# Allegro board board_orcad.brd (continued)
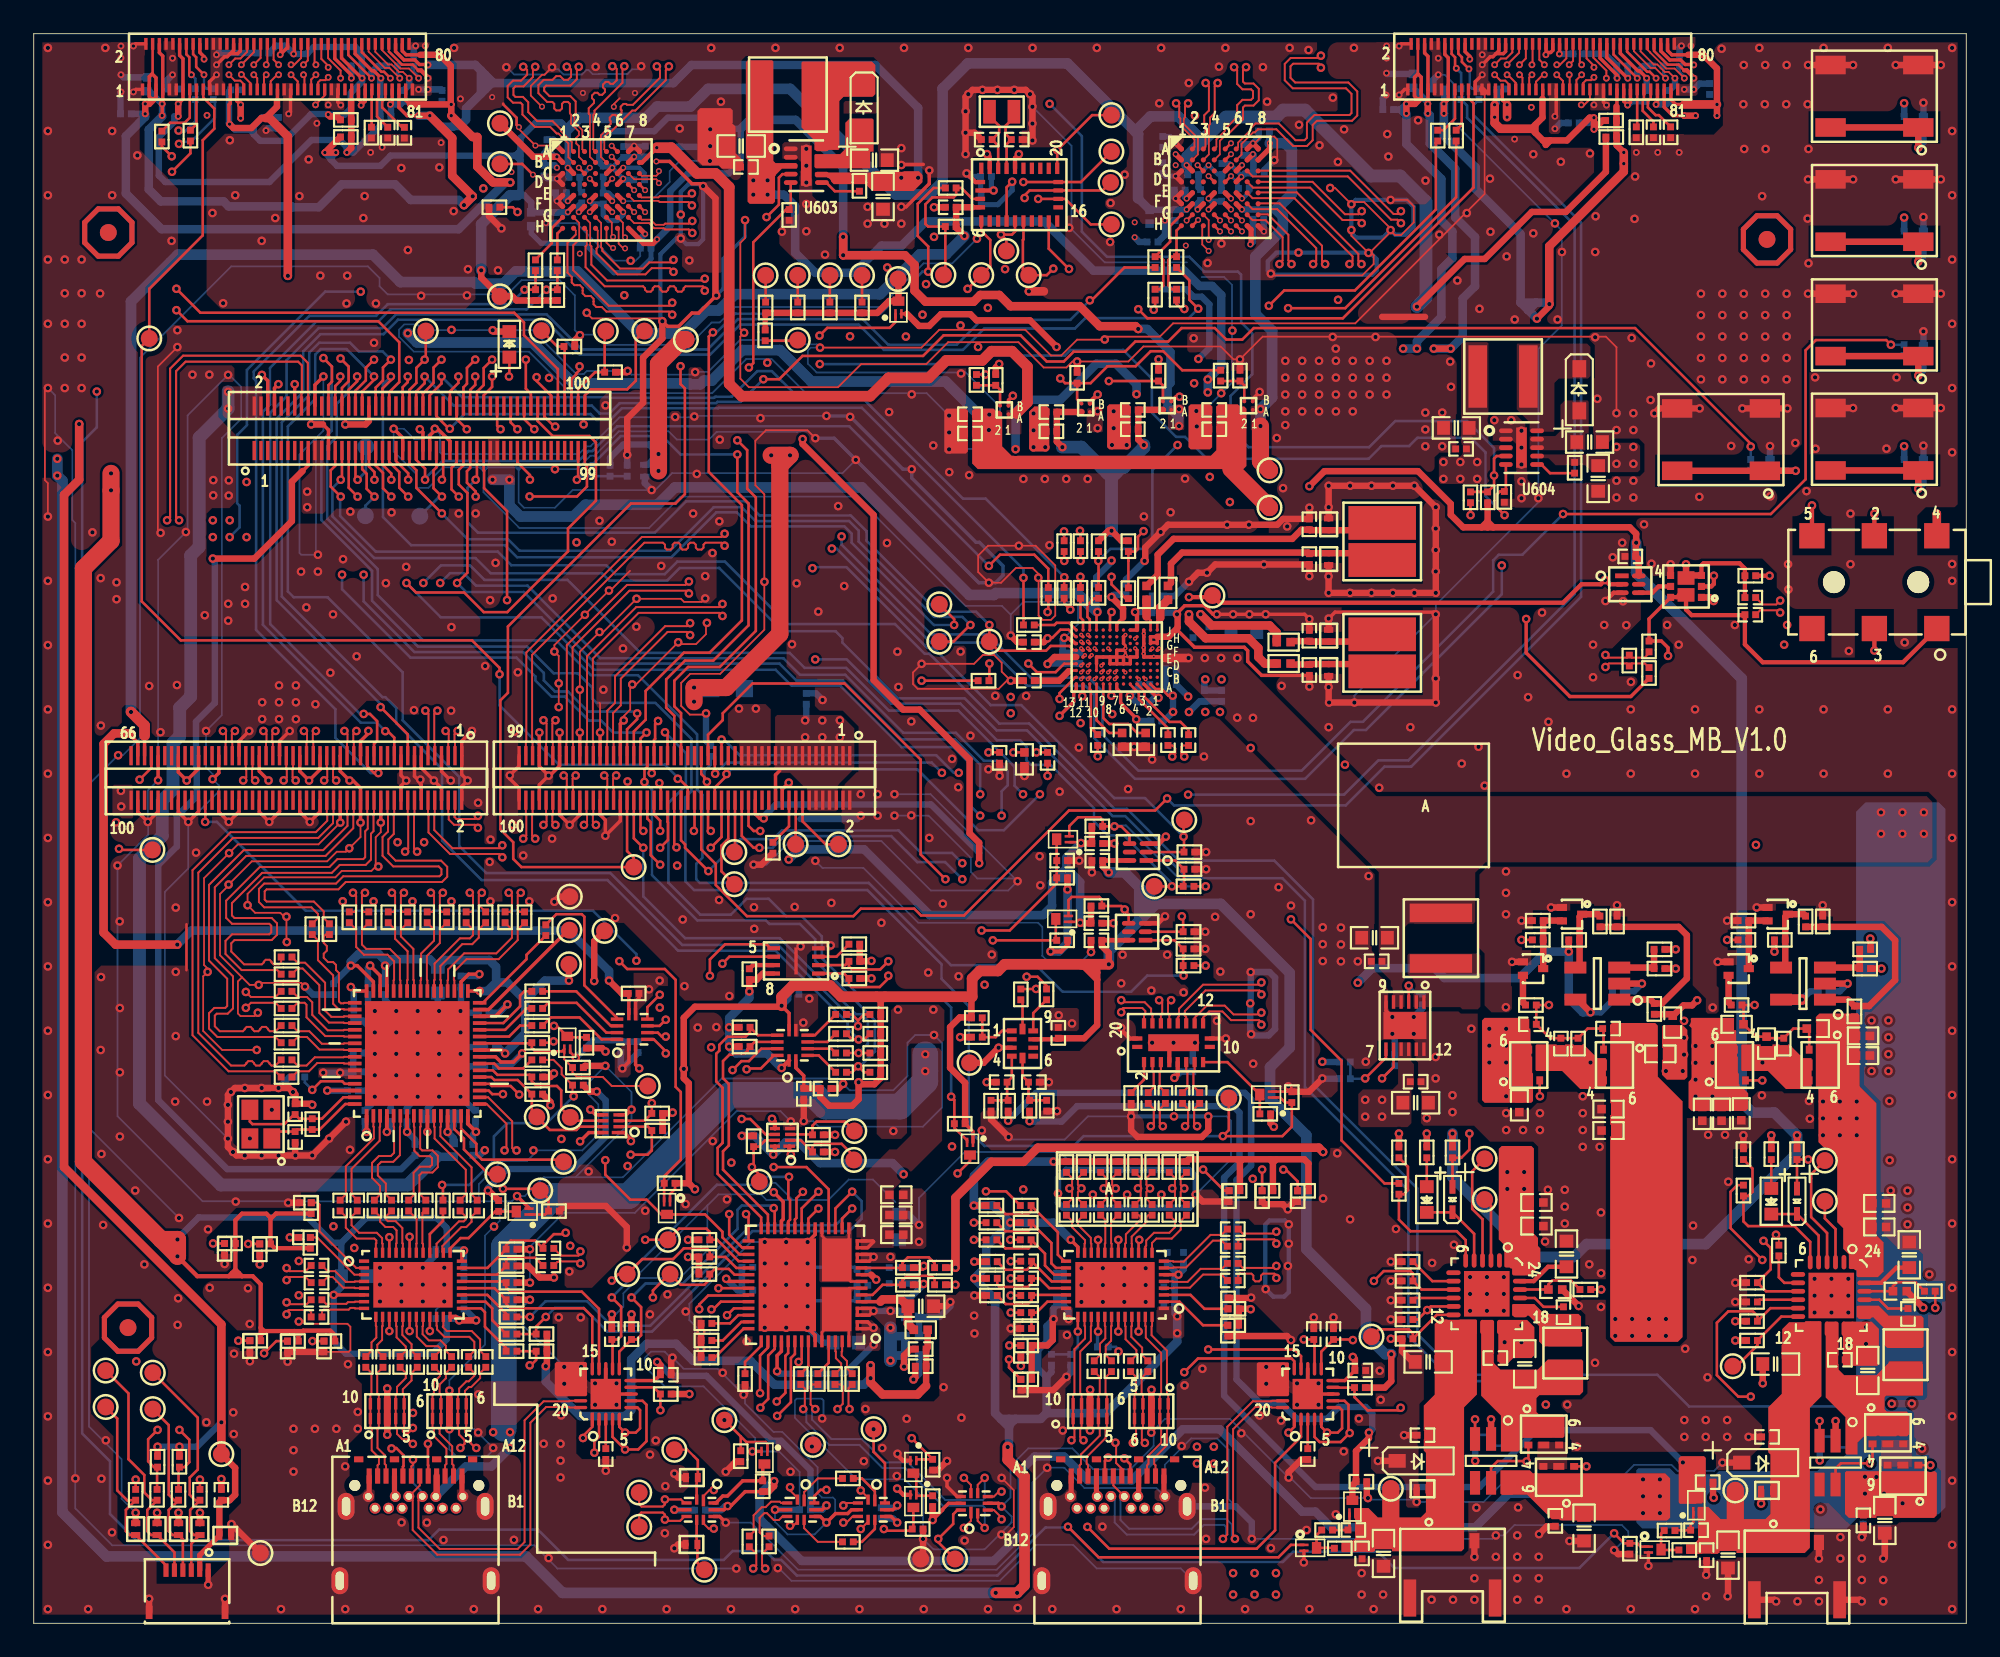
[diagram p0: board, top side]
## Routing (per net, layer and track width the routed paths; a pad name or vN(x,y) marks a point on that pad's centre or on a via; arc(x,y) is an arc through that point) (continued)
I2C1_SDA: length 16.5
  TOP w0.152: U801.28 43.12,24.06 40.54,26.64 40.54,28.18 40.83,28.48 40.83,31.74 40.46,32.12 40.46,33.76 40.64,33.95 40.64,34.29 41.12,34.77 42.19,34.77 42.46,35.04 R831.1 42.93,34.86 U805.9
I2C2_IRQZ: length 23.7
  TOP w0.152: v1(41.96,29.9) 42.47,29.9 43.38,28.98 U804.6 ; U801.34 41.54,20.67 41.2,21.01 40.38,21.01 R835.1 40.07,20.39 39.75,20.07 38.35,20.07 TP808.1 37.67,20.7 36.7,19.73 v1(36.7,19.31)
  ART06 w0.122: v1(41.96,29.9) 41.91,29.84 40.06,29.84 37.95,27.74 37.95,23.06 36.7,21.81 v1(36.7,19.31)
I2C2_SCL: length 23.4
  TOP w0.152: v1(42.26,32.84) 42.27,32.83 42.29,32.83 42.34,32.89 43.1,32.89 43.87,33.66 U805.12 ; U801.32 41.78,21.47 40.51,22.73 R838.1 40.07,23.2 39.88,23.39 38.25,23.39 TP805.1 v1(36.25,22.73)
  ART06 w0.122: v1(42.26,32.84) 41.83,33.26 41.23,33.26 40.95,32.99 40.95,31.78 37.04,27.86 37.04,23.53 v1(36.25,22.73)
I2C2_SDA: length 28.4
  TOP w0.152: U805.11 43.13,34.06 42.39,33.32 41.95,33.32 v1(41.42,32.8) ; v1(34.26,20.31) 34.65,20.7 TP806.1 36.07,21.59 37.9,21.59 38.53,22.23 39.9,22.23 40.07,22.06 R837.1 41,21.72 41.65,21.07 U801.33
  ART06 w0.122: v1(34.26,20.31) 34.63,20.31 37.44,23.12 37.44,27.77 41.42,31.74 v1(41.42,32.8)
I2C_EN: length 12.5
  TOP w0.152: v1(69.32,26.9) 70.57,25.64 R540.1 ; v1(63.09,22.73) U501.17
  ART03 w0.122: v1(69.32,26.9) 69.57,26.64 69.57,24.51 68.76,23.7 64.06,23.7 v1(63.09,22.73)
I2C_L_SCL: length 48.4
  TOP w0.152: v1(20.43,50.4) 20.18,50.4 19.77,50.81 J501.29 ; v1(29.09,79.06) R624.1 29.74,80.19 R631.2
  BOTTOM w0.152: v1(20.43,50.4) 19.97,50.4 17.88,52.49 17.88,54.19 13.18,58.89 13.18,73.67 13.04,73.8 13.04,74.21 16.34,77.51 20.29,77.51 20.99,78.2 28.24,78.2 v1(29.09,79.06)
I2C_L_SDA: length 47.1
  TOP w0.152: J501.21 21.37,52.5 20.98,52.89 v1(20.84,52.89) ; R632.2 R625.1 v1(30.39,79.06)
  BOTTOM w0.152: v1(30.39,79.06) 29.23,77.9 21.15,77.9 20.43,77.18 16.77,77.18 14,74.42 14,72.25 13.58,71.83 13.58,59.19 19.39,53.39 20.34,53.39 v1(20.84,52.89)
I2C_LEVEL_SCL1: length 1.9
  TOP w0.152: R825.2 47.05,34.46 U805.5
I2C_LEVEL_SCL2: length 2.1
  TOP w0.152: R823.2 46.53,33.66 U805.3
I2C_LEVEL_SDA1: length 2.2
  TOP w0.152: U805.6 46.3,34.86 R826.2
I2C_LEVEL_SDA2: length 1.8
  TOP w0.152: R824.2 47.28,34.06 U805.4
I2C_R_SCL: length 55.8
  TOP w0.152: R629.2 66.47,77.95 v1(66.39,77.87) ; v1(37.13,45.97) 37.59,46.43 37.59,47.5 37.57,47.52 J301.56
  ART03 w0.122: v1(66.39,77.87) 67.18,77.08 67.18,73.43 66.88,73.13 66.88,69.65 64.57,67.34 55.81,67.34 43.36,54.88 43.36,51.87 40.79,49.3 38.61,49.3 36.65,47.35 36.65,46.38 37.06,45.97 v1(37.13,45.97)
  BOTTOM w0.152: R629.2 66.47,77.95 v1(66.39,77.87)
I2C_R_SDA: length 57.2
  TOP w0.152: R630.2 67.74,78.21 68.03,77.92 v1(68.2,77.92) ; v1(38.1,46) 37.97,46.13 J301.54
  ART03 w0.122: v1(38.1,46) 38.1,46.94 39.6,48.44 40.92,48.44 44.01,51.53 44.01,54.54 45.53,56.05 46.81,56.05 48.34,57.58 48.34,58.73 56.32,66.72 65.45,66.72 69.52,70.78 69.52,71.97 67.74,73.75 67.74,77.45 v1(68.2,77.92)
  BOTTOM w0.152: v1(68.2,77.92) 68.03,77.92 67.74,78.21 R630.2
I2C_SCL: length 86.4
  TOP w0.152: J302.38 20.27,73.25 20.7,73.69 20.7,74.44 v1(21.17,74.91) ; R907.2 59.41,37.6 v1(59.42,37.61) ; R834.1 49.23,34.61 v1(48.9,34.61) 48.51,34.61 R825.1
  ART03 w0.122: v1(59.42,37.61) 58.01,37.61 55.76,35.35 52.8,35.35 52.06,34.61 v1(48.9,34.61)
  BOTTOM w0.152: v1(21.17,74.91) 20.69,75.4 19.27,75.4 18.76,75.92 16.92,75.92 16.33,75.33 16.33,72.82 14.7,71.19 14.7,60.87 20.67,54.9 20.84,54.9 21.49,54.26 21.49,53.36 24.21,50.64 24.21,46.41 26.55,44.06 34.01,44.06 38.2,39.87 43.97,39.87 48.24,35.6 48.24,35.27 v1(48.9,34.61)
I2C_SDA: length 84.8
  TOP w0.152: J302.34 19.47,73.01 20.17,73.71 v1(20.17,73.91) ; v1(48.86,35.4) 48.86,35.74 ; 48.86,35.74 49.22,36.09 R833.1 ; 48.86,35.74 48.5,36.09 R826.1 ; v1(58.86,38.33) 59.5,38.33 60.04,37.8 R917.2
  ART03 w0.122: v1(48.86,35.4) 49.2,35.05 51.88,35.05 52.61,35.78 55.39,35.78 57.72,38.11 58.64,38.11 v1(58.86,38.33)
  BOTTOM w0.152: v1(48.86,35.4) 48.86,35.47 44.12,40.21 38.44,40.21 34.18,44.48 26.82,44.48 25.22,46.08 25.22,50.17 21.87,53.53 21.87,56.38 17.42,60.83 15.41,60.83 15.06,61.17 15.06,70.95 16.69,72.58 16.69,75.21 17.01,75.54 18.54,75.54 v1(20.17,73.91)
IIS_DATA: length 9.5
  TOP w0.152: U701.9 34.58,35.88 32.64,37.82 32.64,41.88 32.49,42.04 30.98,42.04 R753.1
IIS_MCLK: length 5.3
  TOP w0.152: U701.10 34.21,35.42 32.16,37.47 R752.1
IIS_SCLK: length 5.3
  TOP w0.152: U701.11 33.95,35.02 32.18,36.78 30.5,36.78 R751.1
IIS_WS: length 5.1
  TOP w0.152: R750.1 30.65,35.92 32.36,35.92 33.66,34.62 U701.12
IN4N: length 46.1
  TOP w0.114: C1026.1 102.49,60.39 103.29,60.39 v1(103.52,60.63)
  TOP w0.152: U1001.B3 65.8,56.08 v3(65.91,55.97)
  GND02 w0.114: v1(69.44,54.03) 69.68,53.78 69.68,53.53 69.44,53.29 67.11,53.29 65.88,54.52 65.88,55.69 65.91,55.72 v3(65.91,55.97)
  ART03 w0.114: v1(69.44,54.03) 69.71,54.29 69.71,54.6 70.02,54.91 73.03,54.91 73.9,54.04 84.41,54.04 90.46,60.08 100.09,60.08 100.45,60.45 103.34,60.45 v1(103.52,60.63)
IN4P: length 46.5
  TOP w0.114: v1(103.52,59.92) 103.39,60.05 102.33,60.05 C1025.1
  TOP w0.152: U1001.B4 65.4,56.08 v3(65.51,55.97)
  GND02 w0.114: v3(65.51,55.97) 65.51,55.72 65.54,55.69 65.54,54.37 66.96,52.95 69.58,52.95 70.03,53.39 70.03,53.74 v1(70.32,54.03)
  ART03 w0.114: v1(70.32,54.03) 70.05,54.29 70.05,54.45 70.17,54.57 72.89,54.57 73.76,53.7 84.56,53.7 90.6,59.74 100.23,59.74 100.59,60.1 103.34,60.1 v1(103.52,59.92)
JACKDET: length 48.4
  TOP w0.152: U1001.C8 63.8,56.48 v3(63.69,56.37)
  TOP w0.254: J1003.5 v1(105.41,66.27)
  GND02 w0.152: v4(64.08,56.84) 63.69,56.44 v3(63.69,56.37)
  ART03 w0.254: v1(105.41,66.27) 105.28,66.14 92.64,66.14 85.08,58.58 73.47,58.58 72.79,59.26 67.97,59.26 65.55,56.84 v4(64.08,56.84)
L_775_EN: length 50.9
  TOP w0.152: U708.B2 66.93,73.39 R722.2 v1(63.73,73.64) ; v1(36.13,46.97) 35.97,47.14 J301.64 ; R725.2 v1(56.41,74.03)
  ART03 w0.122: v1(56.41,74.03) 54.74,72.36 54.74,66.66 44.65,56.57 43.11,56.57 40.87,54.33 40.87,53.55 37.59,50.27 37.59,48.74 36.13,47.28 v1(36.13,46.97)
  ART06 w0.122: v1(63.73,73.64) 62.85,73.64 62.33,73.13 58.88,73.13 57.96,74.04 56.42,74.04 v1(56.41,74.03)
L_AUXN: length 18.3
  TOP w0.114: v1(32.4,22.05) 32.4,21.91 32.29,21.79 31.26,21.79 C425.2 ; U705.18 26.94,31.18 28.36,29.76 28.36,28.17 28.5,28.03 v1(28.62,28.03)
  ART06 w0.114: v1(28.62,28.03) 28.5,28.03 28.39,28.15 28.39,28.7 28.55,28.86 29.5,28.86 30.31,28.05 30.31,27.89 30.29,27.88 30.29,27.71 30.46,27.55 30.62,27.55 30.63,27.57 30.8,27.57 30.96,27.41 30.96,27.25 30.94,27.23 30.94,27.07 31.1,26.91 31.26,26.91 31.28,26.92 31.44,26.92 32.45,25.92 32.45,23.18 33.23,22.4 33.23,22.07 32.97,21.82 32.52,21.82 32.4,21.93 v1(32.4,22.05)
L_AUXP: length 18.3
  TOP w0.114: C424.2 31.03,21.41 31.08,21.41 31.11,21.45 32.29,21.45 v1(32.4,21.34) ; v1(27.91,28.03) 28.02,28.14 28.02,29.61 26.85,30.78 U705.17
  ART06 w0.114: v1(32.4,21.34) 32.54,21.47 33.11,21.47 33.57,21.93 33.57,22.54 32.79,23.32 32.79,26.06 29.65,29.2 28.41,29.2 28.04,28.84 28.04,28.17 v1(27.91,28.03)
L_BAT_CTL: length 130.4
  TOP w0.152: v1(18.2,66.79) 17.6,67.39 17.6,68.35 17.87,68.62 J302.25
  BOTTOM w0.152: v1(18.2,66.79) 18.16,66.76 18.16,65.64 20.27,63.53 27.51,63.53 28.32,62.72 33.94,62.72 34.47,62.19 37.4,62.19 38.15,62.94 40.97,62.94 44.67,59.24 51.05,59.24 52.82,57.48 53.09,57.48 57.23,53.34 59,53.34 64.06,48.29 64.8,48.29 67.87,45.21 73.53,45.21 75.83,42.91 75.83,31.97 82.02,25.78 82.02,17.14 84.43,14.73 96.24,14.73 98.12,12.85 107.04,12.85 107.59,12.29 107.59,10.58 107.44,10.42 R922.1
L_C_CC1: length 26.1
  TOP w0.152: U402.7 36.09,13.19 36.32,12.95 36.32,10.79 35.83,10.3 v1(35.05,10.3) 34.31,11.05 U402.4 ; v1(21.21,10.36) 21.23,10.39 21.49,10.39 21.92,9.96 21.92,9.32 21.88,9.29 J401.A5
  ART06 w0.152: v1(35.05,10.3) 32.12,13.23 27.98,13.23 27.74,12.99 22.21,12.99 21.59,12.37 21.59,10.74 v1(21.21,10.36)
L_C_CC2: length 17.8
  TOP w0.152: U402.5 34.71,11.65 v1(35.05,11.3) 35.69,11.3 35.94,11.56 35.94,12.64 35.79,12.79 U402.6
  ART03 w0.122: J401.B5 24.35,5.9 27.45,5.9 30.69,9.14 31.55,9.14 33.01,10.61 34.36,10.61 v1(35.05,11.3)
L_C_SBU1: length 15.3
  TOP w0.152: J401.A8 23.38,9.36 23.37,9.37 v1(23.37,10.64) ; v1(32.56,10.98) 32.56,11.09 33.11,11.65 U402.1
  ART06 w0.152: v1(23.37,10.64) 23.37,11.46 24.58,12.66 27.85,12.66 28.08,12.9 31.69,12.9 32.56,12.03 v1(32.56,10.98)
L_C_SBU2: length 16.5
  TOP w0.152: U402.2 33.51,11.05 33.23,10.77 v1(33.23,10.11)
  ART03 w0.122: v1(33.23,10.11) 33.23,9.81 28.87,5.45 22.64,5.45 22.43,5.66 22.43,6.23 J401.B8
L_CC1: length 21.8
  TOP w0.152: U402.12 34.31,16.78 C402.1 34.62,16.82 34.82,17.02 34.82,18.76 v1(34.26,19.31) ; U801.24 44.72,23.82 44.83,23.93 44.83,25.1 44.73,25.2 44.73,26.43 v1(44.77,26.47)
  BOTTOM w0.152: v1(34.26,19.31) 35.28,20.33 35.28,20.78 40.5,25.99 43.01,25.99 43.48,26.47 v1(44.77,26.47)
L_CC2: length 17.8
  TOP w0.152: U402.11 34.71,16.1 C401.1 35.75,16.82 36,17.08 36,18.74 v1(35.43,19.31) ; v1(43.87,24.61) 43.92,24.56 U801.26
  BOTTOM w0.152: v1(43.87,24.61) 43.71,24.77 41.97,24.77 41.72,24.51 41.72,23.38 38.48,20.14 36.26,20.14 v1(35.43,19.31)
L_CHG_CE: length 165.7
  TOP w0.152: v1(102.53,22.67) 102.96,22.25 102.96,20.98 R915.2 102.69,19.68 U902.9 ; v1(18.17,73.91) 18.17,73.64 17.87,73.34 J302.26
  ART03 w0.122: v1(58.64,49.15) 59.41,48.38 64.79,48.38 65.44,47.73 68.83,47.73 69.49,47.07 105.02,47.07 111.33,40.75 111.33,30.4 104.93,24 103.56,24 102.53,22.98 v1(102.53,22.67) ; v1(23.1,61.67) 24.19,62.77 26.11,62.77 27.69,64.35 29.83,64.35 33.1,67.61 33.1,75.11 32.79,75.41 28.92,75.41 28.66,75.15 28.66,73.57 28.11,73.03 19.06,73.03 v1(18.17,73.91)
  BOTTOM w0.152: v1(58.64,49.15) 58.14,49.65 58.14,50.77 54.81,54.11 50.69,54.11 48.16,56.64 45.7,56.64 44.81,57.53 35.97,57.53 31.64,61.85 26.72,61.85 25.86,62.71 24.14,62.71 v1(23.1,61.67)
L_CHG_STAT: length 147.4
  TOP w0.152: J302.32 19.07,73.07 19.68,73.69 19.68,74.43 v1(20.17,74.91) ; v1(105.18,27.49) R924.2 D604.1
  ART03 w0.122: v1(20.17,74.91) 20.69,74.4 26.5,74.4 26.64,74.54 26.64,75.39 27.03,75.77 32.91,75.77 33.41,75.28 33.41,67.53 29.94,64.06 27.82,64.06 26.25,62.48 24.91,62.48 v1(24.1,61.67) ; v1(57.37,47.88) 57.52,47.73 64.27,47.73 65.85,46.15 68.63,46.15 68.95,46.47 100.06,46.47 105.74,40.79 105.74,33.17 103.98,31.41 103.98,28.69 v1(105.18,27.49)
  BOTTOM w0.152: v1(57.37,47.88) 57.37,49.32 57.73,49.68 57.73,50.5 57.1,51.13 56.32,51.13 54.66,52.79 51.54,52.79 48.1,56.23 45.42,56.23 44.44,57.21 33.58,57.21 29.28,61.51 26.22,61.51 25.48,62.26 24.68,62.26 v1(24.1,61.67)
L_D+: length 3.1
  TOP w0.114: R432.2 46.48,8.59 45.67,7.77 U404.1
L_D-: length 3.1
  TOP w0.114: R433.2 46.48,4.83 45.67,5.64 U404.7
L_DPEQ0: length 14.7
  TOP w0.152: R412.2 v1(10.63,22.52) ; U401.35 v1(22.28,22.91)
  ART06 w0.114: v1(10.63,22.52) 12.05,22.52 14,24.47 20.2,24.47 21.76,22.91 v1(22.28,22.91)
L_DPEQ1: length 5.7
  TOP w0.114: U401.2 19.12,21.07 16.95,23.24 16.95,24.82 16.83,24.93 R415.1
L_EN: length 39.1
  TOP w0.152: v1(42.39,74.45) 42.65,74.71 42.65,81.87 44.59,83.81 R609.2 44.87,83.9 U603.5 ; v1(41.71,70.13) 42.29,69.55 42.29,67.26 42.8,66.75 42.8,58.83 40.67,56.69 38.79,56.69 37.97,55.88 37.97,54.36 38.37,53.96 J301.51
  ART05 w0.152: v1(42.39,74.45) 41.71,73.76 v1(41.71,70.13)
L_EQ0: length 6.3
  TOP w0.152: R417.1 v1(16.52,16.73) ; U401.11 v1(21.08,17.32)
  ART06 w0.122: v1(21.08,17.32) 17.12,17.32 v1(16.52,16.73)
L_EQ1: length 12.2
  TOP w0.152: U401.14 v1(22.28,17.32) ; R419.1 14.37,16.73 v1(13.66,16.01)
  ART06 w0.114: v1(22.28,17.32) 21.81,17.32 21.25,17.88 16.92,17.88 15.91,16.87 14.52,16.87 v1(13.66,16.01)
L_FAULT: length 117.2
  TOP w0.152: J302.88 30.27,71.53 30.86,70.94 v1(30.91,70.94) ; U402.9 36.74,13.99 R401.2 v1(37.14,12.63)
  ART03 w0.122: v1(10.62,65.39) 11.09,65.86 13.68,65.86 14.71,64.83 26.46,64.83 28.95,67.31 29.96,67.31 30.43,67.78 30.43,68.72 30.91,69.2 v1(30.91,70.94)
  ART06 w0.122: v1(37.14,12.63) 36.86,12.63 35.83,13.66 28.61,13.66 27.64,14.63 20.08,14.63 18.62,13.16 9.76,13.16 2,20.92 2,54.97 9.79,62.76 9.79,64.56 v1(10.62,65.39)
L_HPDIN: length 29.6
  TOP w0.152: v1(34.71,39.25) 35.18,38.79 37.41,38.79 38.05,38.15 38.05,31.8 38.35,31.5 38.35,27.48 37.37,26.5 R426.2 37.37,26.08 Q401.2 ; v1(40.13,45.97) 40.77,46.61 J301.40
  ART03 w0.122: v1(34.71,39.25) 34.71,40.11 38.48,43.88 38.48,44.46 39.99,45.97 v1(40.13,45.97)
L_I2C_EN: length 13.9
  TOP w0.152: R424.2 v1(12.13,16.75) ; U401.17 v1(23.48,17.32)
  ART06 w0.114: v1(12.13,16.75) 13.87,16.75 14.31,17.2 15.75,17.2 16.84,18.29 21.99,18.29 22.96,17.32 v1(23.48,17.32)
L_LCD_RST: length 71.4
  TOP w0.152: v1(38.18,50.06) 38.25,50.06 38.77,49.55 J301.50 ; v1(27.61,56.26) 27.61,56.64 25.98,58.27 8.72,58.27 6.4,60.58 6.4,75.72 TP605.1 6.85,79.11 10.02,82.28 10.02,87.92 10.7,88.61 10.7,89.79 10.05,90.45 J601.19
  BOTTOM w0.152: v1(38.18,50.06) 38.18,50.14 37.41,50.9 31.13,50.9 27.61,54.42 v1(27.61,56.26)
L_LCD_VCCP: length 54
  TOP w0.152: J601.4 7.05,91.88 7.02,91.85
  TOP w0.203: 22.3,90.04 22.05,90.3 J601.79 ; J601.78 21.85,93.21 22.08,92.98 22.91,92.98 ; 7.06,90.3 7.25,90.48 J601.5 7.25,91.63 7.02,91.85 6.85,91.68 J601.3 6.85,90.51 7.06,90.3
  TOP w0.381: v5(24.75,90.04) 24.72,90.07 24.72,92.32 24.06,92.98 22.91,92.98 ; v5(24.75,90.04) 22.3,90.04 ; v5(24.75,90.04) v5(24.75,89.38) ; v5(6.6,89.48) 6.61,89.49 v5(6.61,90.07) 6.84,90.07 7.06,90.3
  TOP w0.508: v1(28.24,85.42) 27.23,85.42 26.29,86.35 26.29,88.11 26.01,88.11 v5(24.75,89.38)
  BOTTOM w0.254: v5(6.61,90.07) 6.6,90.07 v5(6.6,89.48)
  BOTTOM w0.381: C648.2 v5(6.6,89.48)
  BOTTOM w0.508: v1(28.24,85.42) 27.96,85.42 25.18,82.65 7.57,82.65 5.46,84.76 5.46,88.16 6.6,89.31 v5(6.6,89.48)
L_OTG: length 105.8
  TOP w0.152: R914.1 100.98,25.97 100.58,25.58 100.58,23.42 v1(102.46,21.54) ; J301.39 v1(40.77,52.39)
  ART03 w0.122: v1(102.46,21.54) 101.91,22.09 101.91,22.87 103.41,24.36 104.86,24.36 111.05,30.56 111.05,40.64 104.91,46.78 69.2,46.78 68.59,47.4 65.27,47.4 64.62,48.05 57.99,48.05 55.62,50.42 v1(54.83,50.42)
  BOTTOM w0.152: v1(40.77,52.39) 40.91,52.39 41.84,51.46 53.5,51.46 54.54,50.42 v1(54.83,50.42)
L_RESET: length 24.5
  TOP w0.152: TP604.1 23.24,74.98 v1(23.17,74.91) 22.68,74.43 22.68,73.53 22.27,73.12 J302.48 ; U602.D4 v2(32.96,85.64)
  ART06 w0.122: v2(32.96,85.64) 33.71,84.89 33.71,83.13 31.84,81.26 25.43,81.26 23.8,79.63 23.8,78.57 23.36,78.14 23.36,75.1 v1(23.17,74.91)
L_RX1+: length 19.3
  TOP w0.114: v1(22.47,10.64) 22.2,10.91 21.85,10.91 21.53,11.23 21.53,11.53 21.46,11.61 U406.4 U406.7 21.46,13.53 21.53,13.61 21.53,14.02 22.05,14.54 22.05,14.84 C419.1
  ART03 w0.114: J401.B11 20.46,7.05 20.46,9.45 19.79,10.12 19.79,11.86 21.84,13.91 23.16,13.91 23.62,13.44 23.62,11.67 22.89,10.93 22.59,10.93 22.47,10.82 v1(22.47,10.64)
L_RX1-: length 19.3
  TOP w0.114: C418.1 22.4,14.84 22.4,14.39 21.88,13.87 21.88,13.61 21.95,13.53 U406.6 U406.5 21.95,11.61 21.88,11.53 21.88,11.37 21.99,11.25 22.18,11.25 22.47,11.54 v1(22.47,11.58)
  ART03 w0.114: v1(22.47,11.58) 22.47,11.39 22.59,11.28 22.75,11.28 23.28,11.81 23.28,12.37 23.17,12.49 23.04,12.49 22.93,12.6 22.93,12.83 23.04,12.94 23.17,12.94 23.28,13.06 23.28,13.3 23.02,13.56 21.98,13.56 21.77,13.35 21.77,13.19 22.01,12.94 22.01,12.78 21.85,12.62 21.69,12.62 21.44,12.86 21.28,12.86 21.12,12.7 21.12,12.54 21.37,12.29 21.37,12.13 21.21,11.97 21.04,11.97 20.8,12.22 20.63,12.22 20.13,11.71 20.13,10.26 20.81,9.59 20.81,7.05 J401.B10
L_RX2+: length 7.1
  TOP w0.114: C435.1 24.43,14.84 24.43,14.52 24.06,14.15 24.06,13.61 24.14,13.53 U407.9 U407.2 24.14,11.61 24.06,11.53 24.06,11.24 24.81,10.49 24.81,9.44 24.88,9.37 J401.A11
L_RX2-: length 7.1
  TOP w0.114: C434.1 24.09,14.84 24.09,14.66 23.72,14.3 23.72,13.61 23.64,13.53 U407.10 U407.1 23.64,11.61 23.72,11.53 23.72,11.1 24.46,10.35 24.46,9.44 24.38,9.37 J401.A10
L_SBU1: length 11.7
  TOP w0.152: U402.15 33.11,18.17 32.61,18.67 28.27,18.67 28,18.94 R405.2 27.31,19.87 U401.24
L_SBU2: length 12.5
  TOP w0.152: U401.25 27.93,20.27 R404.2 28,19.93 28.27,19.66 32.49,19.66 33.51,18.64 U402.14
L_SPI_CLK: length 31.3
  TOP w0.152: v1(8.18,86.97) 7.59,87.55 R611.2 ; J302.41 21.07,68.85 21.67,68.25 21.67,67.32 v1(22.2,66.79)
  ART06 w0.122: v1(22.2,66.79) 21.72,67.27 21.72,68.76 19.69,70.78 19.69,74.85 18.45,76.09 16.78,76.09 8.89,83.98 8.89,86.36 8.28,86.97 v1(8.18,86.97)
L_SPI_CS: length 31.3
  TOP w0.152: J302.35 19.87,68.57 20.2,68.25 v1(20.2,67.79)
  ART06 w0.122: v1(20.2,67.79) 17.36,70.63 17.36,71.54 16.04,72.86 16.04,74.83 7.19,83.68 7.19,87.53 8.15,88.49 v1(8.59,88.49)
  BOTTOM w0.152: R623.2 9.58,89.06 8.97,88.44 8.69,88.44 8.64,88.49 v1(8.59,88.49)
L_SPI_MISO: length 28.9
  TOP w0.152: v1(8.2,86.05) 9.29,87.14 R613.2 ; J302.39 20.67,68.69 21.2,68.16 v1(21.2,67.79)
  ART06 w0.122: v1(8.2,86.05) 8.2,83.97 16.44,75.72 18.14,75.72 18.69,75.16 18.69,73.1 19.37,72.43 19.37,70.69 21.13,68.93 21.13,67.86 v1(21.2,67.79)
L_SPI_MOSI: length 34.5
  TOP w0.152: v1(21.2,66.79) 20.7,67.29 20.7,68.2 20.27,68.63 J302.37
  ART06 w0.122: v1(21.2,66.79) 21.2,66.92 20.7,67.41 20.7,68.12 20.17,68.66 19.89,68.66 17.68,70.87 17.68,71.63 16.39,72.92 16.39,75.06 7.54,83.91 7.54,87.2 8.05,87.71 v1(8.61,87.71)
  BOTTOM w0.152: R612.2 10.73,90.24 10.73,89.25 9.32,87.83 8.74,87.83 v1(8.61,87.71)
L_SSEQ0: length 11.1
  TOP w0.152: R420.2 v1(12.71,22.49) ; v1(21.08,22.89) U401.38
  ART06 w0.114: v1(12.71,22.49) 14.24,24.01 19.95,24.01 v1(21.08,22.89)
L_SSEQ1: length 4.1
  TOP w0.114: R423.1 16.8,22.88 19.01,20.67 U401.3
L_SSRXN: length 60.7
  TOP w0.114: C421.2 16.11,20.87 15.17,20.87 v1(14.99,21.06) ; U503.18 66.31,36.05 66.24,36.13 66.24,36.44 65.85,36.82 64.58,36.82 v1(64.46,36.94)
  ART03 w0.114: v1(64.46,36.94) 64.37,36.85 58.19,36.85 52.38,31.05 40.31,31.05 35.45,26.18 30.68,26.18 28.94,24.45 19.59,24.45 16.09,20.94 15.1,20.94 v1(14.99,21.06)
L_SSRXP: length 60.7
  TOP w0.114: C420.2 16.11,20.53 15.17,20.53 v1(14.99,20.35) ; U503.19 65.81,36.05 65.89,36.13 65.89,36.29 65.71,36.47 64.58,36.47 64.46,36.36 v1(64.46,36.23)
  ART03 w0.114: v1(64.46,36.23) 64.46,36.31 64.26,36.51 58.33,36.51 52.53,30.7 40.46,30.7 35.6,25.84 30.82,25.84 29.08,24.1 19.74,24.1 16.23,20.6 16.1,20.6 15.9,20.4 15.64,20.4 15.44,20.6 15.12,20.6 14.99,20.47 v1(14.99,20.35)
L_SSTXN: length 70.2
  TOP w0.114: v1(67.42,36.94) 67.24,36.75 67.24,36.13 67.31,36.05 U503.16 ; v1(14.99,19.02) 15.1,18.92 16.18,18.92 C423.2
  ART03 w0.114: v1(67.42,36.94) 67.3,36.82 67.3,36.28 63.91,32.89 59.45,32.89 56.26,29.71 46.87,29.71 45.74,28.57 43.31,28.57 42.51,27.78 40.81,27.78 40.53,27.5 38.52,27.5 35.98,24.96 31.51,24.96 28.14,21.59 28.14,18.01 26.02,15.89 15.96,15.89 14.07,17.78 14.07,18.53 14.43,18.88 14.85,18.88 v1(14.99,19.02)
L_SSTXP: length 70.1
  TOP w0.114: v1(14.99,18.31) 14.99,18.45 15.11,18.57 16.33,18.57 16.44,18.46 C422.2 ; v1(66.71,36.94) 66.78,36.94 66.89,36.82 66.89,36.13 66.81,36.05 U503.17
  ART03 w0.114: v1(14.99,18.31) 14.99,18.43 14.88,18.54 14.58,18.54 14.42,18.38 14.42,17.92 14.8,17.54 14.96,17.54 14.98,17.56 15.14,17.56 15.3,17.4 15.3,17.23 15.28,17.22 15.28,17.05 16.11,16.23 25.88,16.23 27.8,18.15 27.8,21.73 31.37,25.3 35.84,25.3 38.38,27.84 40.39,27.84 40.67,28.13 42.37,28.13 43.16,28.92 45.59,28.92 46.73,30.05 56.12,30.05 59.3,33.24 63.76,33.24 64.29,33.76 64.29,34.06 64.46,34.23 64.76,34.23 64.94,34.41 64.94,34.71 65.11,34.88 65.41,34.88 65.58,35.05 65.58,35.36 65.75,35.53 66.06,35.53 66.23,35.7 66.23,36 66.4,36.17 66.7,36.17 66.95,36.43 66.95,36.82 66.84,36.94 v1(66.71,36.94)
L_STAT: length 4.9
  TOP w0.152: U902.5 105.8,22.99 D604.2 104.51,24.26 LED302.2
L_STBY: length 34.2
  TOP w0.152: v2(29.59,85.88) 28.96,86.51 TP603.1 ; U602.C3 v2(32.31,86.29) ; J302.43 21.47,68.9 22.2,68.18 v1(22.2,67.79)
  ART06 w0.089: 30.75,87.26 31.34,87.26 v2(32.31,86.29)
  ART06 w0.122: v1(22.2,67.79) 22.12,67.86 22.12,71.3 20.7,72.72 20.7,77.27 25.01,81.58 29.58,81.58 29.88,81.87 29.88,85.59 v2(29.59,85.88) 29.59,86.75 30.1,87.26 30.75,87.26
L_TX1+: length 6.9
  TOP w0.114: C417.1 20.02,14.84 20.02,13.6 19.96,13.53 U406.10 U406.1 19.96,11.61 20.03,11.53 20.03,10.25 20.46,9.82 20.46,9.44 20.38,9.37 J401.A2
L_TX1-: length 6.9
  TOP w0.114: C416.1 20.36,14.83 20.36,13.63 20.45,13.53 U406.9 U406.2 20.45,11.61 20.38,11.53 20.38,10.39 20.81,9.96 20.81,9.44 20.88,9.37 J401.A3
L_TX2+: length 10.1
  TOP w0.114: C414.1 26.46,14.84 26.46,14.53 25.93,14 25.79,14 25.56,13.77 25.56,13.61 25.64,13.53 U407.6 U407.5
  TOP w0.127: v1(26.23,10.39) 26.18,10.39 25.9,10.68 25.9,11.01 25.57,11.34 25.57,11.52 25.64,11.59 U407.5
  ART03 w0.114: J401.B2 24.81,7.05 24.81,8.5 25.93,9.63 25.93,10.28 26.05,10.39 v1(26.23,10.39)
L_TX2-: length 10
  TOP w0.114: U407.4 U407.7 25.14,13.53 25.22,13.61 25.22,13.92 25.64,14.34 25.79,14.34 26.12,14.68 26.12,14.84 C415.1
  TOP w0.127: v1(25.29,10.39) 25.54,10.65 25.54,10.86 25.21,11.19 25.21,11.52 25.14,11.59 U407.4
  ART03 w0.114: v1(25.29,10.39) 25.48,10.39 25.59,10.28 25.59,9.77 24.46,8.64 24.46,7.05 J401.B3
L_VBAT: length 1.9
  TOP w1.016: TP911.1 100.86,6.02
L_VBUS: length 53.6
  TOP w0.203: U801.14 49.73,22.67 49.78,22.62 49.43,22.27 U801.13
  TOP w0.305: J401.B9 21.38,7.57 J401.A4
  TOP w0.381: J401.B4 23.88,7.57 J401.A9
  BOTTOM w0.508: v1(27.23,11.33) v1(28.23,11.33) v1(28.23,10.39) 27.13,9.3 25.61,9.3 J401.B4
  BOTTOM w1.524: v1(52.85,33.73) v1(52.85,32.73) 52.85,32.13 51.35,30.63 46.94,30.63 46.24,31.33 41.26,31.33 35.26,25.32 30.86,25.32 27.86,22.33 27.86,11.53
  vias: v1(71.09,2.97) v1(71.09,1.7) v1(72.36,2.97) v1(72.36,1.7) v1(73.63,2.97) v1(73.63,1.7) v1(98.51,34.23) v1(98.51,33.23) v1(98.51,32.23) v1(98.51,31.23) v1(99.51,34.23) v1(99.51,33.23) v1(99.51,32.23) v1(99.51,31.23)
L_VDD1_1V8: length 33.5
  TOP w0.203: J601.64 19.05,93.05 20.05,92.04 20.15,92.04 20.58,91.61 v5(20.58,91.6) ; J601.12 8.65,92.95 8.85,92.75 J601.13 8.85,90.36 v5(8.56,90.07) ; J601.63 18.82,90.91 18.82,90.27
  TOP w0.381: 18.82,90.27 18.82,89.13 R615.1 R614.1 18.82,87.46 v5(18.56,87.2) ; v5(8.56,89.34) v5(8.56,90.07)
  BOTTOM w0.381: v5(8.56,89.34) 8.34,89.34 8.34,89.03 7.42,88.11 7.42,85.83 7.8,85.45 13.97,85.45 16.46,87.93 18.14,87.93 18.56,87.51 v5(18.56,87.2) 18.95,87.2 20.53,88.78 C637.2 20.53,91.55 v5(20.58,91.6)
L_VDD_10V: length 88.8
  TOP w0.203: J601.77 21.65,89.86 22.13,89.38 v5(22.81,89.38) ; v5(7.61,89.38) 7.62,89.39 7.62,90.08 7.65,90.11 J601.7 7.65,92.91 7.45,93.11 J601.6 ; J601.76 21.45,93.18 21.95,92.68 22.59,92.68 22.86,92.41 23.35,92.41 v5(23.37,92.39)
  TOP w0.381: v5(22.81,89.38) v5(23.48,89.38) ; 7.62,90.08 v5(7.61,90.07)
  TOP w0.508: v5(23.48,89.38) 24.81,88.05 24.81,85.81 v1(26.02,84.59) v1(25.5,84.07)
  BOTTOM w0.381: v5(7.61,89.38) v5(7.61,90.07) 6.86,90.83 C636.2
  BOTTOM w0.508: v5(7.61,89.38) 7.61,89.34 6.82,88.55 6.82,85.01 7.53,84.3 11.25,84.3 11.55,84 15.29,84 15.34,83.95 16.9,83.95 18.25,85.3 21.42,85.3 22.35,84.38 25.2,84.38 v1(25.5,84.07) v1(26.02,84.59) ; 26.51,92.05 26.51,90.68 ; 26.51,92.05 26.77,91.79 ; 26.51,92.05 26.18,92.39 v5(23.37,92.39) ; 26.51,90.68 25.63,89.8 25.63,89.14 25.26,88.77 25.01,88.77 25,88.77 24.89,88.77 24.85,88.72 24.13,88.72 v5(23.48,89.38) v5(22.81,89.38) ; 26.51,90.68 26.77,90.95 ; 26.77,91.79 26.77,90.95 ; 26.77,91.79 27.19,91.37 ; 27.19,91.37 26.77,90.95 ; 27.19,91.37 27.25,91.31 37.92,91.31 38.99,92.38 49.88,92.38 52.42,89.84 v1(52.42,85.7) v1(51.42,85.7)
LCD_1V2_L: length 67.7
  TOP w0.254: U602.B8 36.05,86.6 v2(36.93,87.48)
  TOP w0.305: U602.F3 v2(32.31,83.66) ; U602.F6 v2(34.94,83.66) ; U602.E2 v2(31.66,84.31) ; U602.E4 v2(32.96,84.31) ; U602.B1 v2(31.01,86.94)
  TOP w0.381: TP706.1 29.62,86.94 v2(31.01,86.94)
  TOP w0.635: 58.24,71.72 58.9,72.39 58.9,74.5 57.99,75.41 56.77,75.41 56.23,74.87 54.09,74.87 53.06,73.83 50.67,73.83 49.58,72.75 41.96,72.75 41.22,73.48 41.22,85.14 40.41,85.95 39.32,85.95 37.8,87.48 v2(36.93,87.48)
  ART06 w0.305: 32.31,83.72 v2(32.31,83.66)
  ART06 w0.381: 32.31,83.77 31.77,84.31 v2(31.66,84.31) 31.66,84.54 31.17,85.04 30.68,85.04 30.33,85.39 30.33,85.93 30.69,86.29 v2(31.01,86.29) ; 32.31,83.77 32.31,83.92 32.7,84.31 v2(32.96,84.31) ; 32.31,83.77 32.31,83.72 ; v2(36.93,87.48) 37.87,86.54 37.87,84.07 36.8,83.01 35.45,83.01 34.94,83.52 v2(34.94,83.66)
  BOTTOM w0.305: v2(34.94,83.66) 34.94,83.52 34.58,83.16 34.09,83.16 33.76,83.49 C613.1 33.12,84.15 v2(32.96,84.31)
  BOTTOM w0.381: v2(31.01,86.94) 30.87,86.94 30.5,87.31 C614.1 30.25,87.13 C617.1 30.86,86.44 v2(31.01,86.29) ; C615.1 36.98,87.53 v2(36.93,87.48) ; C618.1 32.31,84.03 v2(32.31,83.66) ; C616.1 31.57,84.4 v2(31.66,84.31)
LCD_1V2_R: length 31.7
  TOP w0.305: U601.E2 v2(68.34,84.46) ; U601.F6 v2(71.62,83.81) ; U601.B8 73.27,87.44 v2(73.27,87.74) ; U601.E4 v2(69.64,84.46) ; U601.F3 v2(68.99,83.81) ; U601.B1 v2(67.69,87.09)
  TOP w1.016: TP705.1 72.72,68.89 v1(72.72,70.98)
  ART06 w0.381: v2(67.69,87.09) v2(67.69,86.44)
  BOTTOM w0.305: C622.1 69.8,84.3 v2(69.64,84.46)
  BOTTOM w0.381: C624.1 68.99,84.18 v2(68.99,83.81) ; C623.1 73.24,87.77 v2(73.27,87.74) ; C621.1 68.25,84.55 v2(68.34,84.46) ; 73.65,83.81 v2(71.62,83.81)
  BOTTOM w0.635: v2(73.27,87.74) 74.18,87.74 74.57,87.35 74.57,84.73 73.65,83.81 74.04,83.42 74.04,82.65 72.42,81.03 72.42,77.62 73.41,76.63 73.41,72.67 v1(72.72,71.98) v1(72.72,70.98)
